# Altium PCB POETIC_Processor_V2_PANNEL.PcbDoc (continued)
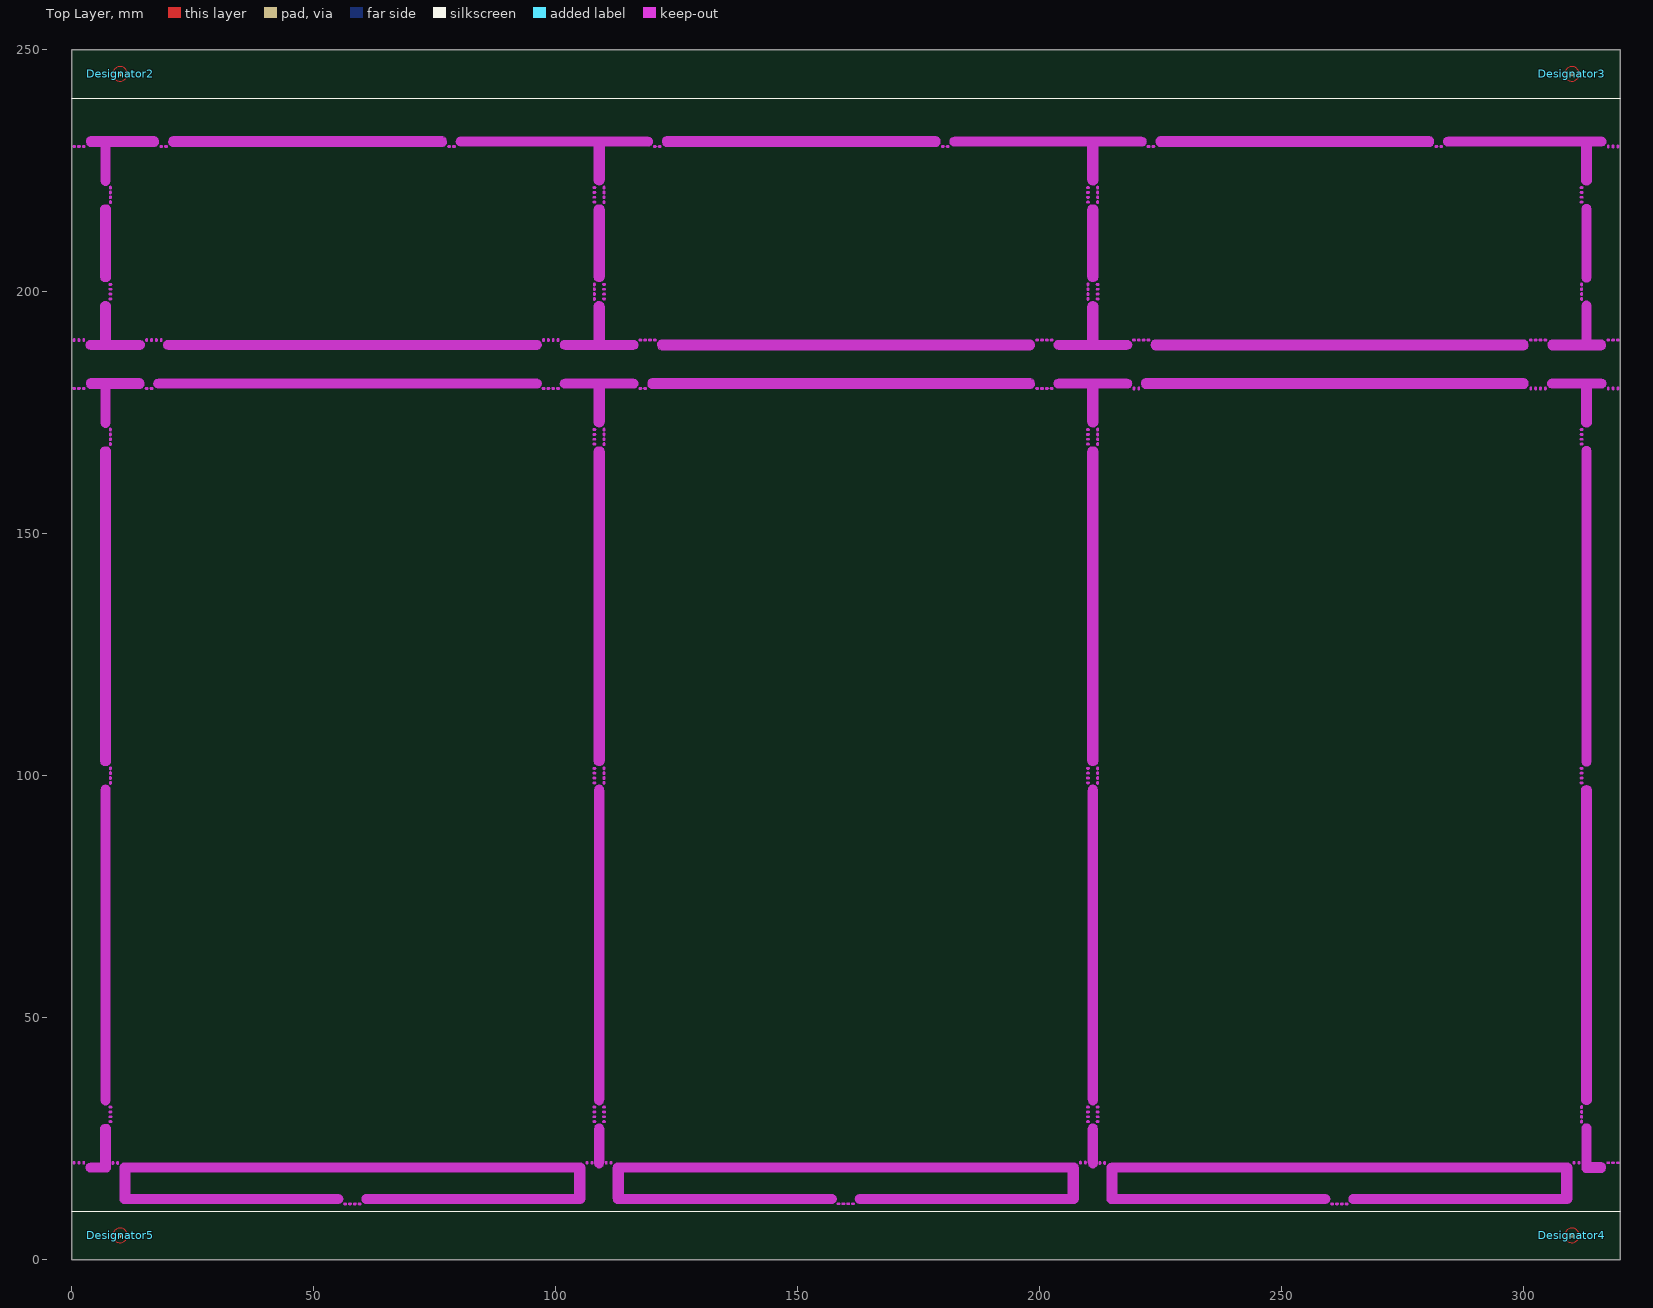
[diagram p0: Top Layer view]
## Board outline (continued)
cut-out: 0.5,190.25 ccw(c0.5,190) 0.5,189.75 ccw(c0.5,190) 0.75,190 ccw(c0.5,190)
cut-out: 1.5,190.25 ccw(c1.5,190) 1.5,189.75 ccw(c1.5,190) 1.75,190 ccw(c1.5,190)
cut-out: 2.5,190.25 ccw(c2.5,190) 2.5,189.75 ccw(c2.5,190) 2.75,190 ccw(c2.5,190)
cut-out: 15.5,190.25 ccw(c15.5,190) 15.5,189.75 ccw(c15.5,190) 15.75,190 ccw(c15.5,190)
cut-out: 16.5,190.25 ccw(c16.5,190) 16.5,189.75 ccw(c16.5,190) 16.75,190 ccw(c16.5,190)
cut-out: 17.5,190.25 ccw(c17.5,190) 17.5,189.75 ccw(c17.5,190) 17.75,190 ccw(c17.5,190)
cut-out: 18.5,190.25 ccw(c18.5,190) 18.5,189.75 ccw(c18.5,190) 18.75,190 ccw(c18.5,190)
cut-out: 7.749,198.5 cw(c8,198.5) 8.25,198.5 cw(c8,198.5)
cut-out: 7.749,199.5 cw(c8,199.5) 8.25,199.5 cw(c8,199.5)
cut-out: 7.749,200.5 cw(c8,200.5) 8.25,200.5 cw(c8,200.5)
cut-out: 7.749,201.5 cw(c8,201.5) 8.25,201.5 cw(c8,201.5)
cut-out: 110,197 110,190 116,190 cw(c116,189) 116,188 109,188 cw(c109,189) 108.961,188 102,188 cw(c102,189.001) 101,189.001 cw(c102,189.001) 102,190.001 108,190.001 108,197 cw(c109,197)
cut-out: 117.5,190.252 cw(c117.5,190.001) 117.5,189.751 cw(c117.5,190.001) 117.25,190.001 cw(c117.5,190.001)
cut-out: 118.5,190.252 cw(c118.5,190.001) 118.5,189.751 cw(c118.5,190.001) 118.25,190.001 cw(c118.5,190.001)
cut-out: 119.5,190.252 cw(c119.5,190.001) 119.5,189.751 cw(c119.5,190.001) 119.25,190.001 cw(c119.5,190.001)
cut-out: 120.5,190.252 cw(c120.5,190.001) 120.5,189.751 cw(c120.5,190.001) 120.25,190.001 cw(c120.5,190.001)
cut-out: 198,190.001 122,190.001 ccw(c122,189.001) 121,189.001 ccw(c122,189.001) 122,188 198,188 ccw(c198,189)
cut-out: 202.5,190.251 cw(c202.5,190.001) 202.5,189.75 cw(c202.5,190.001) 202.25,190.001 cw(c202.5,190.001)
cut-out: 201.5,190.251 cw(c201.5,190.001) 201.5,189.75 cw(c201.5,190.001) 201.25,190.001 cw(c201.5,190.001)
cut-out: 200.5,190.251 cw(c200.5,190.001) 200.5,189.75 cw(c200.5,190.001) 200.25,190.001 cw(c200.5,190.001)
cut-out: 199.5,190.251 cw(c199.5,190.001) 199.5,189.75 cw(c199.5,190.001) 199.25,190.001 cw(c199.5,190.001)
cut-out: 7.749,168.5 ccw(c8,168.5) 8.25,168.5 ccw(c8,168.5)
cut-out: 7.749,169.5 ccw(c8,169.5) 8.25,169.5 ccw(c8,169.5)
cut-out: 7.749,170.5 ccw(c8,170.5) 8.25,170.5 ccw(c8,170.5)
cut-out: 7.749,171.5 ccw(c8,171.5) 8.25,171.5 ccw(c8,171.5)
cut-out: 16.5,179.75 cw(c16.5,180) 16.5,180.25 cw(c16.5,180) 16.75,180 cw(c16.5,180)
cut-out: 15.5,179.75 cw(c15.5,180) 15.5,180.25 cw(c15.5,180) 15.75,180 cw(c15.5,180)
cut-out: 2.5,179.75 cw(c2.5,180) 2.5,180.25 cw(c2.5,180) 2.75,180 cw(c2.5,180)
cut-out: 1.5,179.75 cw(c1.5,180) 1.5,180.25 cw(c1.5,180) 1.75,180 cw(c1.5,180)
cut-out: 0.5,179.75 cw(c0.5,180) 0.5,180.25 cw(c0.5,180) 0.75,180 cw(c0.5,180)
cut-out: 4,180 5.999,180 5.999,173 ccw(c7,173) 8,173 8,180 14,180 ccw(c14,181) 15,181 ccw(c14,181) 14,182.001 4,182.001 ccw(c4,181)
cut-out: 7.749,101.5 ccw(c8,101.5) 8.25,101.5 ccw(c8,101.5)
cut-out: 7.749,100.5 ccw(c8,100.5) 8.25,100.5 ccw(c8,100.5)
cut-out: 7.749,99.5 ccw(c8,99.5) 8.25,99.5 ccw(c8,99.5)
cut-out: 7.749,98.5 ccw(c8,98.5) 8.25,98.5 ccw(c8,98.5)
cut-out: 97.5,179.749 cw(c97.5,180) 97.5,180.25 cw(c97.5,180) 97.75,180 cw(c97.5,180)
cut-out: 98.5,179.749 cw(c98.5,180) 98.5,180.25 cw(c98.5,180) 98.75,180 cw(c98.5,180)
cut-out: 99.5,179.749 cw(c99.5,180) 99.5,180.25 cw(c99.5,180) 99.75,180 cw(c99.5,180)
cut-out: 100.5,179.749 cw(c100.5,180) 100.5,180.25 cw(c100.5,180) 100.75,180 cw(c100.5,180)
cut-out: 6,103 5.999,167 cw(c7,167) 8,167 8,103 cw(c7,103)
cut-out: 6,97 5.999,33 ccw(c7,33) 8,33 8,97 ccw(c7,97)
cut-out: 0.5,20.25 ccw(c0.5,20) 0.5,19.75 ccw(c0.5,20) 0.75,20 ccw(c0.5,20)
cut-out: 1.5,20.25 ccw(c1.5,20) 1.5,19.75 ccw(c1.5,20) 1.75,20 ccw(c1.5,20)
cut-out: 2.5,20.25 ccw(c2.5,20) 2.5,19.75 ccw(c2.5,20) 2.75,20 ccw(c2.5,20)
cut-out: 8.5,20.225 ccw(c8.5,19.975) 8.5,19.725 ccw(c8.5,19.975) 8.75,19.975 ccw(c8.5,19.975)
cut-out: 9.5,20.225 ccw(c9.5,19.975) 9.5,19.725 ccw(c9.5,19.975) 9.75,19.975 ccw(c9.5,19.975)
cut-out: 7.749,28.5 cw(c8,28.5) 8.25,28.5 cw(c8,28.5)
cut-out: 7.749,29.5 cw(c8,29.5) 8.25,29.5 cw(c8,29.5)
cut-out: 7.749,30.5 cw(c8,30.5) 8.25,30.5 cw(c8,30.5)
cut-out: 7.749,31.5 cw(c8,31.5) 8.25,31.5 cw(c8,31.5)
cut-out: 109.75,31.5 cw(c110,31.5) 110.251,31.5 cw(c110,31.5)
cut-out: 109.75,30.5 cw(c110,30.5) 110.251,30.5 cw(c110,30.5)
cut-out: 109.75,29.5 cw(c110,29.5) 110.251,29.5 cw(c110,29.5)
cut-out: 109.75,28.5 cw(c110,28.5) 110.251,28.5 cw(c110,28.5)
cut-out: 108,97 108,33 ccw(c109,33) 110.001,33 110.001,97 ccw(c109.001,97)
cut-out: 108,103 108,167.001 cw(c109,167.001) 110.001,167.001 110.001,103 cw(c109.001,103)
cut-out: 109.75,98.501 ccw(c110,98.501) 110.251,98.501 ccw(c110,98.501)
cut-out: 109.75,99.501 ccw(c110,99.501) 110.251,99.501 ccw(c110,99.501)
cut-out: 109.75,100.501 ccw(c110,100.501) 110.251,100.501 ccw(c110,100.501)
cut-out: 109.75,101.501 ccw(c110,101.501) 110.251,101.501 ccw(c110,101.501)
cut-out: 109.75,171.501 ccw(c110,171.501) 110.251,171.501 ccw(c110,171.501)
cut-out: 109.75,170.501 ccw(c110,170.501) 110.251,170.501 ccw(c110,170.501)
cut-out: 109.75,169.501 ccw(c110,169.501) 110.251,169.501 ccw(c110,169.501)
cut-out: 109.75,168.501 ccw(c110,168.501) 110.251,168.501 ccw(c110,168.501)
cut-out: 107.749,28.5 cw(c108,28.5) 108.25,28.5 cw(c108,28.5)
cut-out: 107.749,29.5 cw(c108,29.5) 108.25,29.5 cw(c108,29.5)
cut-out: 107.749,30.5 cw(c108,30.5) 108.25,30.5 cw(c108,30.5)
cut-out: 107.749,31.5 cw(c108,31.5) 108.25,31.5 cw(c108,31.5)
cut-out: 107.75,98.5 cw(c108,98.5) 108.25,98.5 cw(c108,98.5)
cut-out: 107.75,99.5 cw(c108,99.5) 108.25,99.5 cw(c108,99.5)
cut-out: 107.75,100.5 cw(c108,100.5) 108.25,100.5 cw(c108,100.5)
cut-out: 107.75,101.5 cw(c108,101.5) 108.25,101.5 cw(c108,101.5)
cut-out: 107.749,168.5 cw(c108,168.5) 108.25,168.5 cw(c108,168.5)
cut-out: 107.749,169.5 cw(c108,169.5) 108.25,169.5 cw(c108,169.5)
cut-out: 107.749,170.5 cw(c108,170.5) 108.25,170.5 cw(c108,170.5)
cut-out: 107.749,171.5 cw(c108,171.5) 108.25,171.5 cw(c108,171.5)
cut-out: 108,173.001 108,180 102,180 cw(c102,181.001) 102,182.001 109,182.001 cw(c109,181.001) 109.04,182 116,182 cw(c116,181) 117.001,181 cw(c116,181) 116,180 110.001,180 110.001,173.001 cw(c109,173.001)
cut-out: 106.5,20.251 ccw(c106.5,20) 106.5,19.75 ccw(c106.5,20) 106.75,20 ccw(c106.5,20)
cut-out: 107.5,20.251 ccw(c107.5,20) 107.5,19.75 ccw(c107.5,20) 107.75,20 ccw(c107.5,20)
cut-out: 4,17.999 cw(c4,19) 4,20 5.999,20 5.999,27 cw(c7,27) 8,27 8,19 cw(c7,19) 7,17.999
cut-out: 56.5,11.249 cw(c56.5,11.5) 56.5,11.75 cw(c56.5,11.5)
cut-out: 57.5,11.249 cw(c57.5,11.5) 57.5,11.75 cw(c57.5,11.5)
cut-out: 58.5,11.249 cw(c58.5,11.5) 58.5,11.75 cw(c58.5,11.5)
cut-out: 59.5,11.249 cw(c59.5,11.5) 59.5,11.75 cw(c59.5,11.5)
cut-out: 11,11.5 cw(c11,12.5) 10,12.5 10,19 cw(c11,19) 11,20 104.961,20 cw(c105,19.001) 106,19.004 cw(c105,19.001) 106,19.001 106,12.501 cw(c105,12.501) 105,11.5 61,11.5 cw(c61,12.501) 61,13.501 104,13.501 104,18 12,18 12,13.5 55,13.5 cw(c55,12.5) 56,12.5 cw(c55,12.5) 55,11.5
cut-out: 112.951,11.525 cw(c112.951,12.525) 111.951,12.525 111.951,19.025 cw(c112.951,19.025) 112.951,20.025 206.912,20.025 cw(c206.951,19.026) 207.952,19.029 cw(c206.951,19.026) 207.952,19.026 207.952,12.526 cw(c206.951,12.526) 206.951,11.525 162.951,11.525 cw(c162.951,12.526) 162.951,13.526 205.951,13.526 205.951,18.025 113.952,18.025 113.952,13.525 156.951,13.525 cw(c156.951,12.525) 157.952,12.525 cw(c156.951,12.525) 156.951,11.525
cut-out: 161.452,11.274 cw(c161.452,11.525) 161.452,11.775 cw(c161.452,11.525)
cut-out: 160.452,11.274 cw(c160.452,11.525) 160.452,11.775 cw(c160.452,11.525)
cut-out: 159.452,11.274 cw(c159.452,11.525) 159.452,11.775 cw(c159.452,11.525)
cut-out: 158.452,11.274 cw(c158.452,11.525) 158.452,11.775 cw(c158.452,11.525)
cut-out: 209.451,20.276 ccw(c209.451,20.025) 209.451,19.775 ccw(c209.451,20.025) 209.702,20.025 ccw(c209.451,20.025)
cut-out: 208.451,20.276 ccw(c208.451,20.025) 208.451,19.775 ccw(c208.451,20.025) 208.702,20.025 ccw(c208.451,20.025)
cut-out: 111.451,20.25 ccw(c111.451,20) 111.451,19.75 ccw(c111.451,20) 111.702,20 ccw(c111.451,20)
cut-out: 110.451,20.25 ccw(c110.451,20) 110.451,19.75 ccw(c110.451,20) 110.702,20 ccw(c110.451,20)
cut-out: 214.951,11.496 cw(c214.951,12.496) 213.95,12.496 213.95,18.996 cw(c214.951,18.996) 214.951,19.997 308.912,19.997 cw(c308.951,18.997) 309.951,19 cw(c308.951,18.997) 309.951,18.997 309.951,12.497 cw(c308.951,12.497) 308.951,11.497 264.951,11.497 cw(c264.951,12.497) 264.951,13.497 307.95,13.497 307.95,17.996 215.951,17.996 215.951,13.497 258.951,13.497 cw(c258.951,12.496) 259.951,12.496 cw(c258.951,12.496) 258.951,11.496
cut-out: 263.451,11.246 cw(c263.451,11.496) 263.451,11.746 cw(c263.451,11.496)
cut-out: 262.451,11.246 cw(c262.451,11.496) 262.451,11.746 cw(c262.451,11.496)
cut-out: 261.451,11.246 cw(c261.451,11.496) 261.451,11.746 cw(c261.451,11.496)
cut-out: 260.451,11.246 cw(c260.451,11.496) 260.451,11.746 cw(c260.451,11.496)
cut-out: 311.451,20.247 ccw(c311.451,19.997) 311.451,19.746 ccw(c311.451,19.997) 311.701,19.997 ccw(c311.451,19.997)
cut-out: 310.451,20.247 ccw(c310.451,19.997) 310.451,19.746 ccw(c310.451,19.997) 310.701,19.997 ccw(c310.451,19.997)
cut-out: 213.451,20.222 ccw(c213.451,19.971) 213.451,19.721 ccw(c213.451,19.971) 213.701,19.971 ccw(c213.451,19.971)
cut-out: 212.451,20.222 ccw(c212.451,19.971) 212.451,19.721 ccw(c212.451,19.971) 212.701,19.971 ccw(c212.451,19.971)
cut-out: 209.749,171.5 cw(c210,171.5) 210.25,171.5 cw(c210,171.5)
cut-out: 209.749,170.5 cw(c210,170.5) 210.25,170.5 cw(c210,170.5)
cut-out: 209.749,169.5 cw(c210,169.5) 210.25,169.5 cw(c210,169.5)
cut-out: 209.749,168.5 cw(c210,168.5) 210.25,168.5 cw(c210,168.5)
cut-out: 209.75,101.5 cw(c210,101.5) 210.25,101.5 cw(c210,101.5)
cut-out: 209.75,100.5 cw(c210,100.5) 210.25,100.5 cw(c210,100.5)
cut-out: 209.75,99.5 cw(c210,99.5) 210.25,99.5 cw(c210,99.5)
cut-out: 209.75,98.5 cw(c210,98.5) 210.25,98.5 cw(c210,98.5)
cut-out: 209.749,31.5 cw(c210,31.5) 210.25,31.5 cw(c210,31.5)
cut-out: 209.749,30.5 cw(c210,30.5) 210.25,30.5 cw(c210,30.5)
cut-out: 209.749,29.5 cw(c210,29.5) 210.25,29.5 cw(c210,29.5)
cut-out: 209.749,28.5 cw(c210,28.5) 210.25,28.5 cw(c210,28.5)
cut-out: 211.75,168.5 ccw(c212,168.5) 212.251,168.5 ccw(c212,168.5)
cut-out: 211.75,169.5 ccw(c212,169.5) 212.251,169.5 ccw(c212,169.5)
cut-out: 211.75,170.5 ccw(c212,170.5) 212.251,170.5 ccw(c212,170.5)
cut-out: 211.75,171.5 ccw(c212,171.5) 212.251,171.5 ccw(c212,171.5)
cut-out: 211.75,101.5 ccw(c212,101.5) 212.251,101.5 ccw(c212,101.5)
cut-out: 211.75,100.5 ccw(c212,100.5) 212.251,100.5 ccw(c212,100.5)
cut-out: 211.75,99.5 ccw(c212,99.5) 212.251,99.5 ccw(c212,99.5)
cut-out: 211.75,98.5 ccw(c212,98.5) 212.251,98.5 ccw(c212,98.5)
cut-out: 210,103 210,167 cw(c211,167) 212.001,167 212.001,103 cw(c211.001,103)
cut-out: 210,97 210,33 ccw(c211,33) 212.001,33 212.001,97 ccw(c211.001,97)
cut-out: 211.75,28.5 cw(c212,28.5) 212.251,28.5 cw(c212,28.5)
cut-out: 211.75,29.5 cw(c212,29.5) 212.251,29.5 cw(c212,29.5)
cut-out: 211.75,30.5 cw(c212,30.5) 212.251,30.5 cw(c212,30.5)
cut-out: 211.75,31.5 cw(c212,31.5) 212.251,31.5 cw(c212,31.5)
cut-out: 312.251,31.5 ccw(c312,31.5) 311.75,31.5 ccw(c312,31.5)
cut-out: 312.251,30.5 ccw(c312,30.5) 311.75,30.5 ccw(c312,30.5)
cut-out: 312.251,29.5 ccw(c312,29.5) 311.75,29.5 ccw(c312,29.5)
cut-out: 312.251,28.5 ccw(c312,28.5) 311.75,28.5 ccw(c312,28.5)
cut-out: 314,97 314.001,33 cw(c313,33) 312,33 312,97 cw(c313,97)
cut-out: 314,103 314.001,167 ccw(c313,167) 312,167 312,103 ccw(c313,103)
cut-out: 219.5,179.749 ccw(c219.5,180) 219.5,180.25 ccw(c219.5,180) 219.25,180 ccw(c219.5,180)
cut-out: 220.5,179.749 ccw(c220.5,180) 220.5,180.25 ccw(c220.5,180) 220.25,180 ccw(c220.5,180)
cut-out: 312.251,98.5 cw(c312,98.5) 311.75,98.5 cw(c312,98.5)
cut-out: 312.251,99.5 cw(c312,99.5) 311.75,99.5 cw(c312,99.5)
cut-out: 312.251,100.5 cw(c312,100.5) 311.75,100.5 cw(c312,100.5)
cut-out: 312.251,101.5 cw(c312,101.5) 311.75,101.5 cw(c312,101.5)
cut-out: 316,180 314.001,180 314.001,173 cw(c313,173) 312,173 312,180 306,180 cw(c306,181) 305,181 cw(c306,181) 306,182.001 316,182.001 cw(c316,181)
cut-out: 319.5,179.75 ccw(c319.5,180) 319.5,180.25 ccw(c319.5,180) 319.25,180 ccw(c319.5,180)
cut-out: 318.5,179.75 ccw(c318.5,180) 318.5,180.25 ccw(c318.5,180) 318.25,180 ccw(c318.5,180)
cut-out: 317.5,179.75 ccw(c317.5,180) 317.5,180.25 ccw(c317.5,180) 317.25,180 ccw(c317.5,180)
cut-out: 304.5,179.75 ccw(c304.5,180) 304.5,180.25 ccw(c304.5,180) 304.25,180 ccw(c304.5,180)
cut-out: 303.5,179.75 ccw(c303.5,180) 303.5,180.25 ccw(c303.5,180) 303.25,180 ccw(c303.5,180)
cut-out: 302.5,179.75 ccw(c302.5,180) 302.5,180.25 ccw(c302.5,180) 302.25,180 ccw(c302.5,180)
cut-out: 301.5,179.75 ccw(c301.5,180) 301.5,180.25 ccw(c301.5,180) 301.25,180 ccw(c301.5,180)
cut-out: 312.251,171.5 cw(c312,171.5) 311.75,171.5 cw(c312,171.5)
cut-out: 312.251,170.5 cw(c312,170.5) 311.75,170.5 cw(c312,170.5)
cut-out: 312.251,169.5 cw(c312,169.5) 311.75,169.5 cw(c312,169.5)
cut-out: 312.251,168.5 cw(c312,168.5) 311.75,168.5 cw(c312,168.5)
cut-out: 316,18 ccw(c316,19) 316,20 314.001,20 314.001,27 ccw(c313,27) 312,27 312,19 ccw(c313,19) 313,18
cut-out: 317.5,20.251 cw(c317.5,20) 317.5,19.75 cw(c317.5,20) 317.25,20 cw(c317.5,20)
cut-out: 318.5,20.251 cw(c318.5,20) 318.5,19.75 cw(c318.5,20) 318.25,20 cw(c318.5,20)
cut-out: 319.5,20.251 cw(c319.5,20) 319.5,19.75 cw(c319.5,20) 319.25,20 cw(c319.5,20)
cut-out: 210,173 210,180 204,180 cw(c204,181) 204,182 211,182 cw(c211,181) 211.039,182 218,182 cw(c218,180.999) 219,180.999 cw(c218,180.999) 218,179.999 212,179.999 212,173 cw(c211,173)
cut-out: 202.5,179.748 cw(c202.5,179.999) 202.5,180.249 cw(c202.5,179.999) 202.75,179.999 cw(c202.5,179.999)
cut-out: 201.5,179.748 cw(c201.5,179.999) 201.5,180.249 cw(c201.5,179.999) 201.75,179.999 cw(c201.5,179.999)
cut-out: 200.5,179.748 cw(c200.5,179.999) 200.5,180.249 cw(c200.5,179.999) 200.75,179.999 cw(c200.5,179.999)
cut-out: 199.5,179.748 cw(c199.5,179.999) 199.5,180.249 cw(c199.5,179.999) 199.75,179.999 cw(c199.5,179.999)
cut-out: 117.5,179.749 cw(c117.5,179.999) 117.5,180.25 cw(c117.5,179.999) 117.75,179.999 cw(c117.5,179.999)
cut-out: 118.5,179.749 cw(c118.5,179.999) 118.5,180.25 cw(c118.5,179.999) 118.75,179.999 cw(c118.5,179.999)

## Design rules (kind name [scope] priority, off if disabled: settings)
Clearance [All] p1: gap=0.254 ignorepadtopadclearanceinfootprint=FALSE except(0: Arc-Hole Track-Hole SMDPad-Hole THPad-Hole Via-Hole Fill-Hole Poly-Hole Region-Hole Text-Hole)
PlaneClearance [All] p1: clearance=0.508
PlaneConnect [All] p1: planeconnectstyle=Relief reliefexpansion=0.508 reliefentries=4 reliefconductorwidth=0.254 reliefairgap=0.254
PolygonConnect [All] p1: connectstyle=Relief reliefconductorwidth=0.254 reliefentries=4 polygonreliefangle="90 Angle" airgapwidth=0.254
RoutingVias [All] p1: holewidth=0.711 width=1.27 viastyle="Through Hole" minholewidth=0.711 minwidth=1.27 maxholewidth=0.711 maxwidth=1.27
SolderMaskExpansion [All] p1: expansion=0.102
Width [All] p1: maxlimit=0.254 minlimit=0.254 preferedwidth=0.254
28 further rules are at their usual default settings.

## Components (designator, comment, footprint, x,y, rotation, side; value= is the part's Value field where it differs from the comment)
Designator2 "Comment" FIDUCIAL 10,245 r0 top
Designator3 "Comment" FIDUCIAL 310,245 r0 top
Designator4 "Comment" FIDUCIAL 310,5 r0 top
Designator5 "Comment" FIDUCIAL 10,5 r0 top

## Footprints (in the part's own frame and the unit in brackets; to place one, negate y for a bottom-side part, rotate by r counter-clockwise, add the part's x,y. Pads: shape width x height; smd on the part's side, far side on the other; paste and mask are expansions set on the pad)
FIDUCIAL [mm] "FIDUCIAL Din 1mm Dout 3mm"
  round 1 smd mask+1.2: 1(0,0)
  Top Layer circle w0.2: c0,0 r1.5

## Nets (pads, with @x,y where several pads share a name; then routed paths per layer and width w, separated by ;. In a path a pad name is that pad's centre, name@x,y a point inside that pad or via, vN(x,y) a via of type N, cw(c..) or ccw(c..) an arc to the next point about the centre after c; other vN are vias at no path point)
pads on no net: Designator2.1 Designator3.1 Designator4.1 Designator5.1

## Polygon pours and split planes (outlines as drawn)
no net on VCC (split plane): 541 vertices, not listed, extent 312.576,190.285 319.49,229.715
no net on VCC (split plane): 1047 vertices, not listed, extent 212.285,190.285 311.715,229.716
no net on VCC (split plane): 174 vertices, not listed, extent 210.575,198.498 211.425,201.5
no net on VCC (split plane): 175 vertices, not listed, extent 210.575,218.498 211.425,221.503
no net on VCC (split plane): 175 vertices, not listed, extent 210.575,168.499 211.425,171.501
no net on VCC (split plane): 1046 vertices, not listed, extent 110.285,190.286 209.715,229.716
no net on VCC (split plane): 175 vertices, not listed, extent 210.575,98.498 211.425,101.502
no net on VCC (split plane): 744 vertices, not listed, extent 312.576,20.285 319.49,179.715
no net on VCC (split plane): 1175 vertices, not listed, extent 212.286,20.277 311.715,179.714
no net on VCC (split plane): 169 vertices, not listed, extent 216.461,12.071 307.44,17.486
no net on VCC (split plane): 175 vertices, not listed, extent 210.575,28.498 211.425,31.501
no net on VCC (split plane): 1190 vertices, not listed, extent 110.286,20.305 209.715,179.714
no net on VCC (split plane): 169 vertices, not listed, extent 114.462,12.1 205.44,17.514
no net on VCC (split plane): 175 vertices, not listed, extent 108.575,218.498 109.425,221.502
no net on VCC (split plane): 895 vertices, not listed, extent 0.51,230.575 319.49,249.49
no net on VCC (split plane): 174 vertices, not listed, extent 108.575,198.499 109.425,201.5
no net on VCC (split plane): 1986 vertices, not listed, extent 0.51,180.574 319.49,189.426
no net on VCC (split plane): 1037 vertices, not listed, extent 8.285,190.285 107.715,229.715
no net on VCC (split plane): 479 vertices, not listed, extent 0.51,190.285 7.424,229.715
no net on VCC (split plane): 175 vertices, not listed, extent 108.575,168.499 109.425,171.502
no net on VCC (split plane): 175 vertices, not listed, extent 108.575,98.499 109.425,101.502
no net on VCC (split plane): 175 vertices, not listed, extent 108.575,28.498 109.425,31.502
no net on VCC (split plane): 971 vertices, not listed, extent 0.51,0.51 319.49,19.45
no net on VCC (split plane): 1183 vertices, not listed, extent 8.285,20.281 107.715,179.715
no net on VCC (split plane): 638 vertices, not listed, extent 0.51,20.285 7.424,179.715
no net on VCC (split plane): 169 vertices, not listed, extent 12.511,12.075 103.489,17.489
no net on GND (split plane): 541 vertices, not listed, extent 312.576,190.285 319.49,229.715
no net on GND (split plane): 1047 vertices, not listed, extent 212.285,190.285 311.715,229.716
no net on GND (split plane): 174 vertices, not listed, extent 210.575,198.498 211.425,201.5
no net on GND (split plane): 175 vertices, not listed, extent 210.575,218.498 211.425,221.503
no net on GND (split plane): 175 vertices, not listed, extent 210.575,168.499 211.425,171.501
no net on GND (split plane): 1046 vertices, not listed, extent 110.285,190.286 209.715,229.716
no net on GND (split plane): 175 vertices, not listed, extent 210.575,98.498 211.425,101.502
no net on GND (split plane): 744 vertices, not listed, extent 312.576,20.285 319.49,179.715
no net on GND (split plane): 1175 vertices, not listed, extent 212.286,20.277 311.715,179.714
no net on GND (split plane): 169 vertices, not listed, extent 216.461,12.071 307.44,17.486
no net on GND (split plane): 175 vertices, not listed, extent 210.575,28.498 211.425,31.501
no net on GND (split plane): 1190 vertices, not listed, extent 110.286,20.305 209.715,179.714
no net on GND (split plane): 169 vertices, not listed, extent 114.462,12.1 205.44,17.514
no net on GND (split plane): 175 vertices, not listed, extent 108.575,218.498 109.425,221.502
no net on GND (split plane): 895 vertices, not listed, extent 0.51,230.575 319.49,249.49
no net on GND (split plane): 174 vertices, not listed, extent 108.575,198.499 109.425,201.5
no net on GND (split plane): 1986 vertices, not listed, extent 0.51,180.574 319.49,189.426
no net on GND (split plane): 1037 vertices, not listed, extent 8.285,190.285 107.715,229.715
no net on GND (split plane): 479 vertices, not listed, extent 0.51,190.285 7.424,229.715
no net on GND (split plane): 175 vertices, not listed, extent 108.575,168.499 109.425,171.502
no net on GND (split plane): 175 vertices, not listed, extent 108.575,98.499 109.425,101.502
no net on GND (split plane): 175 vertices, not listed, extent 108.575,28.498 109.425,31.502
no net on GND (split plane): 971 vertices, not listed, extent 0.51,0.51 319.49,19.45
no net on GND (split plane): 1183 vertices, not listed, extent 8.285,20.281 107.715,179.715
no net on GND (split plane): 638 vertices, not listed, extent 0.51,20.285 7.424,179.715
no net on GND (split plane): 169 vertices, not listed, extent 12.511,12.075 103.489,17.489

## Keep-outs
Keep-Out Layer:
  lines w0.5: 108,99.5 108,99.5 ; 0.5,20 0.5,20 ; 0.5,180 0.5,180 ; 0.5,190 0.5,190 ; 0.5,230 0.5,230 ; 1.5,20 1.5,20 ; 1.5,180 1.5,180 ; 1.5,190 1.5,190 ; 1.5,230 1.5,230 ; 2.5,20 2.5,20 ; 2.5,180 2.5,180 ; 2.5,190 2.5,190 ; 2.5,230 2.5,230 ; 8,28.5 8,28.5 ; 8,29.5 8,29.5 ; 8,30.5 8,30.5 ; 8,31.5 8,31.5 ; 8,98.5 8,98.5 ; 8,99.5 8,99.5 ; 8,100.5 8,100.5 ; 8,101.5 8,101.5 ; 8,168.5 8,168.5 ; 8,169.5 8,169.5 ; 8,170.5 8,170.5 ; 8,171.5 8,171.5 ; 8,198.5 8,198.5 ; 8,199.5 8,199.5 ; 8,200.5 8,200.5 ; 8,201.5 8,201.5 ; 8,218.5 8,218.5 ; 8,219.5 8,219.5 ; 8,220.5 8,220.5 ; 8,221.5 8,221.5 ; 8.5,19.975 8.5,19.975 ; 9.5,19.975 9.5,19.975 ; 15.5,180 15.5,180 ; 15.5,190 15.5,190 ; 16.5,180 16.5,180 ; 16.5,190 16.5,190 ; 17.5,190 17.5,190 ; 18.5,190 18.5,190 ; 18.5,230 18.5,230 ; 19.5,230 19.5,230 ; 56.5,11.5 56.5,11.5 ; 57.5,11.5 57.5,11.5 ; 58.5,11.5 58.5,11.5 ; 59.5,11.5 59.5,11.5 ; 78,230 78,230 ; 79,230 79,230 ; 97.5,180 97.5,180 ; 97.5,190 97.5,190 ; 98.5,180 98.5,180 ; 98.5,190 98.5,190 ; 99.5,180 99.5,180 ; 99.5,190 99.5,190 ; 100.5,180 100.5,180 ; 100.5,190 100.5,190 ; 106.5,20 106.5,20 ; 107.5,20 107.5,20 ; 108,28.5 108,28.5 ; 108,29.5 108,29.5 ; 108,30.5 108,30.5 ; 108,31.5 108,31.5 ; 108,98.5 108,98.5 ; 108,100.5 108,100.5 ; 108,101.5 108,101.5 ; 108,168.5 108,168.5 ; 108,169.5 108,169.5 ; 108,170.5 108,170.5 ; 108,171.5 108,171.5 ; 108,198.5 108,198.5 ; 108,199.5 108,199.5 ; 108,200.5 108,200.5 ; 108,201.5 108,201.5 ; 108,218.5 108,218.5 ; 108,219.5 108,219.5 ; 108,220.5 108,220.5 ; 108,221.5 108,221.5 ; 110,28.5 110,28.5 ; 110,29.5 110,29.5 ; 110,30.5 110,30.5 ; 110,31.5 110,31.5 ; 110,98.501 110,98.501 ; 110,99.501 110,99.501 ; 110,100.501 110,100.501 ; 110,101.501 110,101.501 ; 110,168.501 110,168.501 ; 110,169.501 110,169.501 ; 110,170.501 110,170.501 ; 110,171.501 110,171.501 ; 110,198.5 110,198.5 ; 110,199.5 110,199.5 ; 110,200.5 110,200.5 ; 110,201.5 110,201.5 ; 110,218.501 110,218.501 ; 110,219.501 110,219.501 ; 110,220.501 110,220.501 ; 110,221.501 110,221.501 ; 110.451,20 110.451,20 ; 111.451,20 111.451,20 ; 117.5,179.999 117.5,179.999 ; 117.5,190.001 117.5,190.001 ; 118.5,179.999 118.5,179.999 ; 118.5,190.001 118.5,190.001 ; 119.5,190.001 119.5,190.001 ; 120.5,190.001 120.5,190.001 ; 120.5,229.999 120.5,229.999 ; 121.5,230.001 121.5,230.001 ; 158.452,11.525 158.452,11.525 ; 159.452,11.525 159.452,11.525 ; 160.452,11.525 160.452,11.525 ; 161.452,11.525 161.452,11.525 ; 180,230.001 180,230.001 ; 181,230.001 181,230.001 ; 199.5,179.999 199.5,179.999 ; 199.5,190.001 199.5,190.001 ; 200.5,179.999 200.5,179.999 ; 200.5,190.001 200.5,190.001 ; 201.5,179.999 201.5,179.999 ; 201.5,190.001 201.5,190.001 ; 202.5,179.999 202.5,179.999 ; 202.5,190.001 202.5,190.001 ; 208.451,20.025 208.451,20.025 ; 209.451,20.025 209.451,20.025 ; 210,28.5 210,28.5 ; 210,29.5 210,29.5 ; 210,30.5 210,30.5 ; 210,31.5 210,31.5 ; 210,98.5 210,98.5 ; 210,99.5 210,99.5 ; 210,100.5 210,100.5 ; 210,101.5 210,101.5 ; 210,168.5 210,168.5 ; 210,169.5 210,169.5 ; 210,170.5 210,170.5 ; 210,171.5 210,171.5 ; 210,198.499 210,198.499 ; 210,199.499 210,199.499 ; 210,200.499 210,200.499 ; 210,201.499 210,201.499 ; 210,218.5 210,218.5 ; 210,219.5 210,219.5 ; 210,220.5 210,220.5 ; 210,221.5 210,221.5 ; 212,28.5 212,28.5 ; 212,29.5 212,29.5 ; 212,30.5 212,30.5 ; 212,31.5 212,31.5 ; 212,98.5 212,98.5 ; 212,99.5 212,99.5 ; 212,100.5 212,100.5 ; 212,101.5 212,101.5 ; 212,168.5 212,168.5 ; 212,169.5 212,169.5 ; 212,170.5 212,170.5 ; 212,171.5 212,171.5 ; 212,198.5 212,198.5 ; 212,199.5 212,199.5 ; 212,200.5 212,200.5 ; 212,201.5 212,201.5 ; 212,218.5 212,218.5 ; 212,219.5 212,219.5 ; 212,220.5 212,220.5 ; 212,221.5 212,221.5 ; 212.451,19.971 212.451,19.971 ; 213.451,19.971 213.451,19.971 ; 219.5,180 219.5,180 ; 219.5,190 219.5,190 ; 220.5,180 220.5,180 ; 220.5,190 220.5,190 ; 221.5,190 221.5,190 ; 222.5,190 222.5,190 ; 222.5,230.001 222.5,230.001 ; 223.5,230.001 223.5,230.001 ; 260.451,11.496 260.451,11.496 ; 261.451,11.496 261.451,11.496 ; 262.451,11.496 262.451,11.496 ; 263.451,11.496 263.451,11.496 ; 282,230.001 282,230.001 ; 283,230.001 283,230.001 ; 301.5,180 301.5,180 ; 301.5,190 301.5,190 ; 302.5,180 302.5,180 ; 302.5,190 302.5,190 ; 303.5,180 303.5,180 ; 303.5,190 303.5,190 ; 304.5,180 304.5,180 ; 304.5,190 304.5,190 ; 310.451,19.997 310.451,19.997 ; 311.451,19.997 311.451,19.997 ; 312,28.5 312,28.5 ; 312,29.5 312,29.5 ; 312,30.5 312,30.5 ; 312,31.5 312,31.5 ; 312,98.5 312,98.5 ; 312,99.5 312,99.5 ; 312,100.5 312,100.5 ; 312,101.5 312,101.5 ; 312,168.5 312,168.5 ; 312,169.5 312,169.5 ; 312,170.5 312,170.5 ; 312,171.5 312,171.5 ; 312,198.5 312,198.5 ; 312,199.5 312,199.5 ; 312,200.5 312,200.5 ; 312,201.5 312,201.5 ; 312,218.5 312,218.5 ; 312,219.5 312,219.5 ; 312,220.5 312,220.5 ; 312,221.5 312,221.5 ; 317.5,20 317.5,20 ; 317.5,180 317.5,180 ; 317.5,190 317.5,190 ; 317.5,230 317.5,230 ; 318.5,20 318.5,20 ; 318.5,180 318.5,180 ; 318.5,190 318.5,190 ; 318.5,230 318.5,230 ; 319.5,20 319.5,20 ; 319.5,180 319.5,180 ; 319.5,190 319.5,190 ; 319.5,230 319.5,230
  lines w2: 4,19 7,19 7,27 ; 4,181 7,181 ; 4,189 7,189 ; 4,231 7,231 ; 6.999,217.002 7,203 ; 7,33 7,97 ; 7,103 7,167 ; 7,173 7,181 ; 7,197 7,189 ; 7,223 7,231 ; 14,181 7,181 ; 14,189 7,189 ; 17,231 7,231 ; 18,181 96,180.999 ; 20,189 96,189 ; 21,231 76.5,231 ; 55,12.5 11,12.5 11,19 105,19 105,12.501 61,12.501 ; 80.5,231.001 109,231.001 109,223.001 ; 102,181.001 109,181.001 ; 102,189.001 109,189.001 ; 109,19.987 109,27 ; 109,33 109.001,97 ; 109.001,103 109,167.001 ; 109,173.001 109,181.001 ; 109,197 109,189 116,189 ; 109,202.998 109,217 ; 109,231.001 119,231.001 ; 116,181 109,181 ; 120,181 198,180.999 ; 122,189.001 198,189 ; 123,231.001 178.5,231.001 ; 156.951,12.525 112.951,12.525 112.951,19.025 206.951,19.025 ; 162.951,12.526 206.951,12.526 206.951,19.026 ; 182.5,231.002 211,231.002 211,223.002 ; 204,181 211,181 211,173 ; 204,189 211,189 ; 211,180.999 218,180.999 ; 211,196.999 211,188.999 218,188.999 ; 211,217 211,202.998 ; 211,231.001 221,231.001 ; 211,19.986 211,27 ; 211,33 211.001,97 ; 211.001,103 211,167 ; 222,181 300,180.999 ; 224,189 300,189 ; 225,231.001 280.5,231.001 ; 258.951,12.496 214.951,12.496 214.951,18.996 308.951,18.996 308.951,12.497 264.951,12.497 ; 284.5,231.002 313,231.002 313,223.002 ; 306,181 313,181 ; 306,189 313,189 ; 313,202.998 313,217 ; 313,27 313,19 316,19 ; 313,33 313,97 ; 313,103 313,167 ; 313,173 313,181 ; 313,197 313,189 ; 313,231 316,231 ; 316,181 313,181 ; 316,189 313,189

## Silkscreen, mask and mechanical layers (free items; w line width, h text height)
Top Overlay:
  lines w0.15: 0,10 320,10 ; 0,240 320,240
Mechanical 1:
  the board outline again, w0.15

## Panel: embedded boards
"POETIC_Processor_V2.PcbDoc" at 8,230, 3 rows x 1 columns, spacing 102 x 162, rotation 270